# KiCad board PiEEG.kicad_pcb (continued)
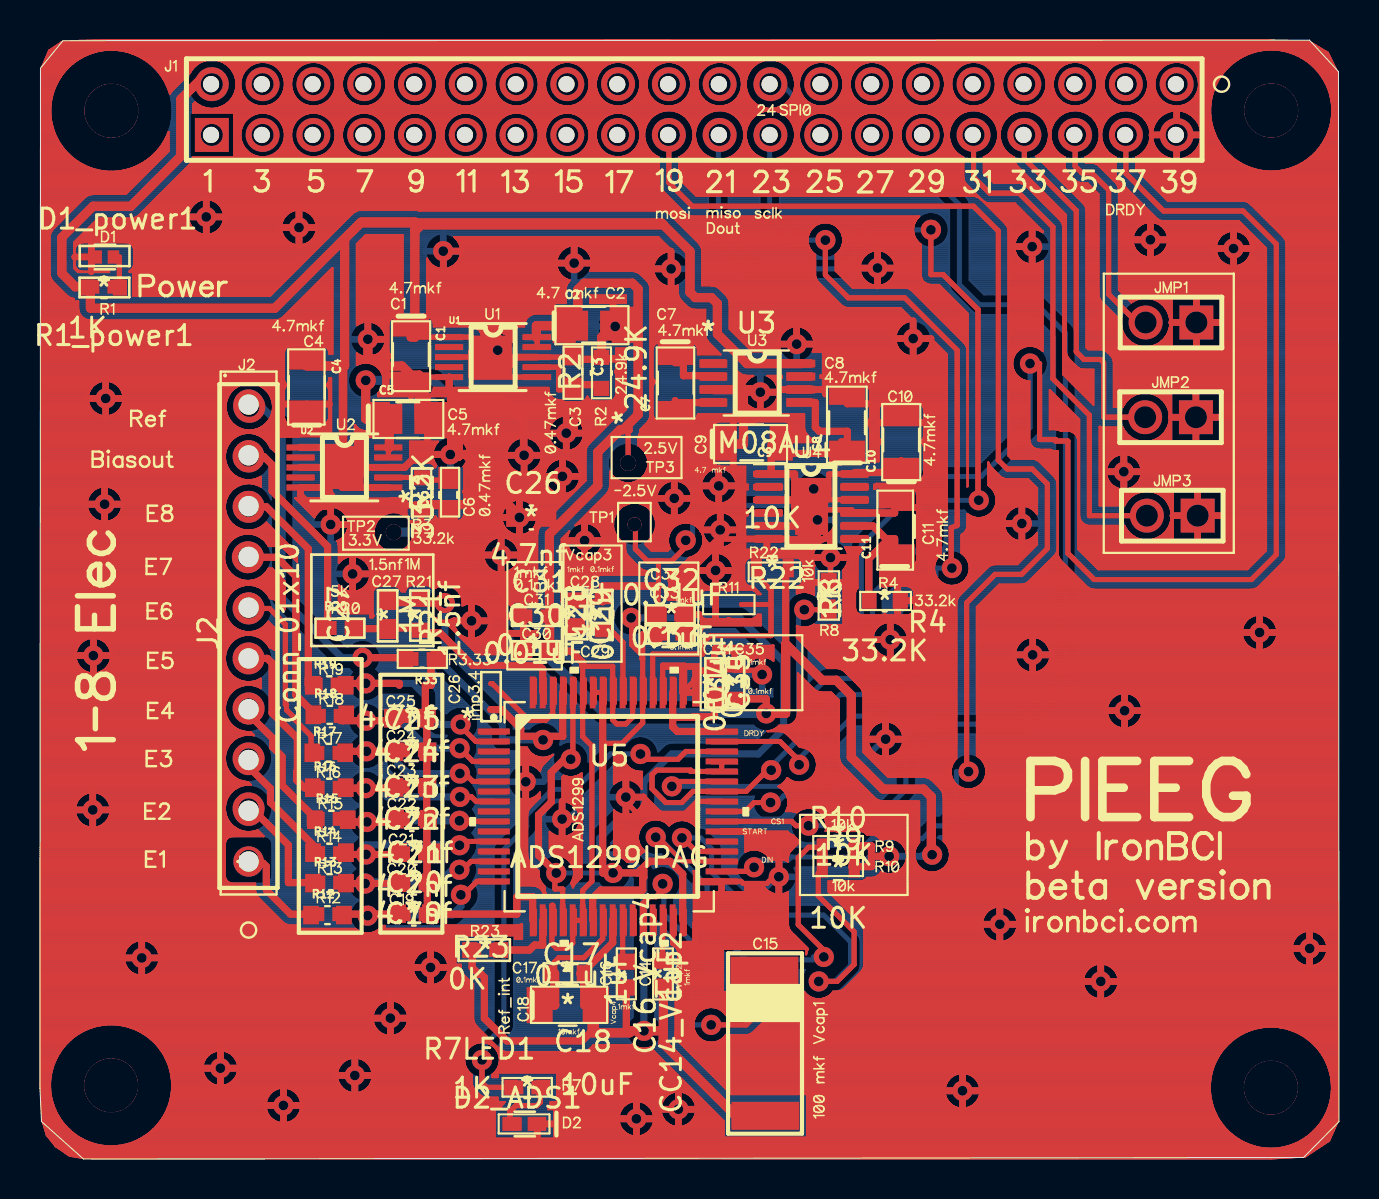
[diagram p0: board, top side]
## Routing (per net, layer and track width the routed paths; a pad name or vN(x,y) marks a point on that pad's centre or on a via; arc(x,y) is an arc through that point)
+2V5: length 7.1
  Top w0.354: 24.74,10.71 25.15,10.71 ; 24.74,10.71 24.49,10.46 ; 24.74,10.71 25.15,10.71 ; 24.74,10.71 24.49,10.46 ; 25.15,10.71 25.15,11.94 25.15,10.71 ; 24.49,10.46 22.91,10.46 24.49,10.46
-2V5: length 29.8
  Top w0.254: 25.28,20.97 v1(25.16,20.97) 25.28,20.97 ; 25.28,20.97 25.28,21.15 25.28,20.97
  Top w0.354: 24.05,21.15 24.05,21.53 ; 24.05,21.15 24.05,21.53 ; 24.05,21.15 25.28,21.15 ; 24.05,21.15 25.28,21.15 ; 24.05,21.53 23.1,22.49 ; 24.05,21.53 23.1,22.49 ; 26.15,21.15 25.28,21.15 ; 26.15,21.15 25.28,21.15 ; 26.15,21.15 26.15,23.34 26.15,21.15 ; 18.98,27.84 18.98,27.88 ; 18.98,27.84 17.37,27.84 18.98,27.84 ; 18.98,27.84 18.98,27.88 ; 18.98,27.88 18.98,27.82 ; 18.98,27.88 18.98,27.82 ; 23.1,22.49 22.55,22.49 23.1,22.49 ; 18.98,27.82 20.25,27.82 18.98,27.82
  Bottom w0.354: 20.25,27.82 20.25,24.66 23.13,21.78 23.13,20.97 v1(25.16,20.97)
  vias: v1(20.25,27.82)
GND: length 31
  Top w0.254: 33.15,25.26 33.15,25.8 ; 33.15,25.26 33.15,25.8 ; 33.15,25.26 30.65,25.26 ; 33.15,25.26 30.65,25.26 ; 33.15,25.8 33.54,26.19 ; 33.15,25.8 33.54,26.19 ; 33.54,26.19 36.56,26.19 ; 33.54,26.19 36.56,26.19 ; 36.56,26.19 36.56,27.75 ; 36.56,26.19 36.56,27.75 ; 36.56,27.75 36.56,28.46 ; 36.56,27.75 35.09,27.75 36.56,27.75 ; 36.56,27.75 36.56,28.46 ; 36.56,28.46 36.09,28.94 ; 36.56,28.46 36.09,28.94 ; 36.09,28.94 36.09,29.36 ; 36.09,28.94 36.09,29.36 ; 36.09,29.36 36.05,29.36 36.09,29.36 ; 31.15,9.88 31.15,11.94 31.15,9.88 ; 31.15,9.88 31.18,9.88 31.15,9.88 ; 30.65,25.26 30.65,23.34 30.65,25.26
(no net): length 76445.5
  Top w0.1: 47.83,33.11 47.84,33.06 ; 47.83,33.11 47.82,33.16 ; 47.83,33.11 47.84,33.06 ; 47.83,33.11 47.82,33.16 ; 47.84,33.06 47.85,33.01 ; 47.84,33.06 47.85,33.01 ; 59.78,46.44 59.85,46.43 ; 59.78,46.44 59.71,46.45 ; 59.78,46.44 59.85,46.43 ; 59.78,46.44 59.71,46.45 ; 59.85,46.43 59.91,46.42 ; 59.85,46.43 59.91,46.42 ; 37.15,13.25 37.09,13.24 ; 37.15,13.25 37.09,13.24 ; 37.15,13.25 37.22,13.27 ; 37.15,13.25 37.22,13.27 ; 37.09,13.24 37.02,13.23 ; 37.09,13.24 37.02,13.23 ; 28.18,54.61 28.26,54.68 ; 28.18,54.61 28.11,54.54 ; 28.18,54.61 28.11,54.54 ; 28.18,54.61 28.26,54.68 ; 28.26,54.68 28.34,54.73 ; 28.26,54.68 28.34,54.73 ; 2.89,38.85 2.95,38.88 ; 2.89,38.85 2.83,38.81 ; 2.89,38.85 2.95,38.88 ; 2.89,38.85 2.83,38.81 ; 2.95,38.88 3.02,38.9 ; 2.95,38.88 3.02,38.9 ; 33.81,30.61 33.74,30.63 ; 33.81,30.61 33.88,30.59 ; 33.81,30.61 33.74,30.63 ; 33.81,30.61 33.88,30.59 ; 33.74,30.63 33.68,30.65 ; 33.74,30.63 33.68,30.65 ; 10.82,13.2 10.8,13.24 ; 10.82,13.2 10.84,13.16 ; 10.82,13.2 10.84,13.16 ; 10.82,13.2 10.8,13.24 ; 10.8,13.24 10.79,13.28 ; 10.8,13.24 10.79,13.28 ; 35.41,50.72 35.37,50.82 ; 35.41,50.72 35.46,50.63 ; 35.41,50.72 35.46,50.63 ; 35.41,50.72 35.37,50.82 ; 35.37,50.82 35.34,50.91 ; 35.37,50.82 35.34,50.91 ; 22.62,5.69 22.66,5.66 ; 22.62,5.69 22.58,5.71 ; 22.62,5.69 22.66,5.66 ; 22.62,5.69 22.58,5.71 ; 22.66,5.66 22.7,5.62 ; 22.66,5.66 22.7,5.62 ; 39.07,23.34 39.02,23.35 ; 39.07,23.34 39.02,23.35 ; 39.07,23.34 39.12,23.34 ; 39.07,23.34 39.12,23.34 ; 39.02,23.35 38.97,23.36 ; 39.02,23.35 38.97,23.36 ; 32.19,54.61 32.26,54.54 ; 32.19,54.61 32.11,54.67 ; 32.19,54.61 32.26,54.54 ; 32.19,54.61 32.11,54.67 ; 32.26,54.54 32.33,54.47 ; 32.26,54.54 32.33,54.47 ; 44.81,54.67 44.89,54.61 ; 44.81,54.67 44.73,54.73 ; 44.81,54.67 44.73,54.73 ; 44.81,54.67 44.89,54.61 ; 44.89,54.61 44.96,54.54 ; 44.89,54.61 44.96,54.54 ; 42.7,53.53 42.67,53.43 ; 42.7,53.53 42.72,53.62 ; 42.7,53.53 42.67,53.43 ; 42.7,53.53 42.72,53.62 ; 42.67,53.43 42.64,53.34 ; 42.67,53.43 42.64,53.34 ; 12.77,33.06 13.73,32.1 ; 12.77,33.06 14.11,33.06 ; 12.77,33.06 13.73,32.1 ; 12.77,33.06 14.11,33.06 ; 13.73,32.1 13.75,32.16 ; 13.73,32.1 13.75,32.16 ; 19.78,53.34 19.74,53.25 ; 19.78,53.34 19.81,53.43 ; 19.78,53.34 19.81,53.43 ; 19.78,53.34 19.74,53.25 ; 19.74,53.25 19.69,53.16 ; 19.74,53.25 19.69,53.16 ; 8.5,5.27 8.56,5.31 ; 8.5,5.27 8.56,5.31 ; 8.5,5.27 8.45,5.23 ; 8.5,5.27 8.45,5.23 ; 8.56,5.31 8.62,5.34 ; 8.56,5.31 8.62,5.34 ; 31.14,16.93 31.18,16.91 ; 31.14,16.93 31.18,16.91 ; 31.14,16.93 31.09,16.95 ; 31.14,16.93 31.09,16.95 ; 31.18,16.91 31.23,16.88 ; 31.18,16.91 31.23,16.88 ; 37.57,54.44 37.62,54.35 ; 37.57,54.44 37.52,54.52 ; 37.57,54.44 37.62,54.35 ; 37.57,54.44 37.52,54.52 ; 37.62,54.35 37.67,54.26 ; 37.62,54.35 37.67,54.26 ; 14.29,40.65 14.34,40.61 ; 14.29,40.65 14.23,40.68 ; 14.29,40.65 14.23,40.68 ; 14.29,40.65 14.34,40.61 ; 14.34,40.61 14.38,40.57 ; 14.34,40.61 14.38,40.57 ; 64.64,52.41 64.63,52.26 ; 64.64,52.41 64.64,52.54 ; 64.64,52.41 64.64,52.54 ; 64.64,52.41 64.63,52.26 ; 64.63,52.26 64.62,52.11 ; 64.63,52.26 64.62,52.11 ; 17.19,39.01 17.19,38.95 ; 17.19,39.01 17.19,38.95 ; 17.19,39.01 17.18,39.06 ; 17.19,39.01 17.18,39.06 ; 17.19,38.95 17.19,38.9 ; 17.19,38.95 17.19,38.9 ; 45.19,18.17 45.2,18.07 ; 45.19,18.17 45.19,18.22 ; 45.19,18.17 45.19,18.22 ; 45.19,18.17 45.2,18.07 ; 45.2,18.07 45.2,15.91 ; 45.2,18.07 45.2,15.91 ; 35.15,38.23 35.14,38.3 ; 35.15,38.23 35.14,38.3 ; 35.15,38.23 35.16,38.16 ; 35.15,38.23 35.16,38.16 ; 35.14,38.3 35.14,38.37 ; 35.14,38.3 35.14,38.37 ; 16.23,40.14 16.16,40.15 ; 16.23,40.14 16.16,40.15 ; 16.23,40.14 16.3,40.13 ; 16.23,40.14 16.3,40.13 ; 16.16,40.15 16.1,40.17 ; 16.16,40.15 16.1,40.17 ; 43.19,21.01 43.19,21 ; 43.19,21.01 43.19,21.07 ; 43.19,21.01 43.19,21.07 ; 43.19,21.01 43.19,21 ; 43.19,21 43.19,20.93 ; 43.19,21 43.19,20.93 ; 18.36,50.19 18.27,50.23 ; 18.36,50.19 18.27,50.23 ; 18.36,50.19 18.46,50.16 ; 18.36,50.19 18.46,50.16 ; 18.27,50.23 18.18,50.28 ; 18.27,50.23 18.18,50.28 ; 9.32,13.94 9.29,13.99 ; 9.32,13.94 9.36,13.89 ; 9.32,13.94 9.29,13.99 ; 9.32,13.94 9.36,13.89 ; 9.29,13.99 9.27,14.05 ; 9.29,13.99 9.27,14.05 ; 23.35,32.74 23.41,32.78 ; 23.35,32.74 23.31,32.68 ; 23.35,32.74 23.41,32.78 ; 23.35,32.74 23.31,32.68 ; 23.41,32.78 23.46,32.83 ; 23.41,32.78 23.46,32.83 ; 26.12,33.26 26.05,33.26 ; 26.12,33.26 26.19,33.26 ; 26.12,33.26 26.05,33.26 ; 26.12,33.26 26.19,33.26 ; 26.05,33.26 25.98,33.27 ; 26.05,33.26 25.98,33.27 ; 28.86,31.12 28.83,31.16 ; 28.86,31.12 29.08,30.9 ; 28.86,31.12 28.83,31.16 ; 28.86,31.12 29.08,30.9 ; 28.83,31.16 28.8,31.22 ; 28.83,31.16 28.8,31.22 ; 32.4,47.21 32.36,47.23 ; 32.4,47.21 32.36,47.23 ; 32.4,47.21 32.43,47.2 ; 32.4,47.21 32.43,47.2 ; 32.36,47.23 32.33,47.26 ; 32.36,47.23 32.33,47.26 ; 47.58,29.72 47.61,29.74 ; 47.58,29.72 47.54,29.7 ; 47.58,29.72 47.61,29.74 ; 47.58,29.72 47.54,29.7 ; 47.61,29.74 47.65,29.75 ; 47.61,29.74 47.65,29.75 ; 42.75,20.24 42.69,20.21 ; 42.75,20.24 42.81,20.28 ; 42.75,20.24 42.69,20.21 ; 42.75,20.24 42.81,20.28 ; 42.69,20.21 42.63,20.18 ; 42.69,20.21 42.63,20.18 ; 11.94,53 11.87,52.94 ; 11.94,53 11.87,52.94 ; 11.94,53 12.01,53.08 ; 11.94,53 12.01,53.08 ; 11.87,52.94 11.79,52.87 ; 11.87,52.94 11.79,52.87 ; 20.18,51.28 20.19,51.38 ; 20.18,51.28 20.18,51.18 ; 20.18,51.28 20.19,51.38 ; 20.18,51.28 20.18,51.18 ; 20.19,51.38 20.21,51.48 ; 20.19,51.38 20.21,51.48 ; 30.18,17.96 30.17,17.89 ; 30.18,17.96 30.17,17.89 ; 30.18,17.96 30.19,18.03 ; 30.18,17.96 30.19,18.03 ; 30.17,17.89 30.15,17.82 ; 30.17,17.89 30.15,17.82 ; 19.77,32.12 19.75,32.08 ; 19.77,32.12 19.75,32.08 ; 19.77,32.12 19.78,32.15 ; 19.77,32.12 19.78,32.15 ; 19.75,32.08 19.73,32.05 ; 19.75,32.08 19.73,32.05 ; 52.21,9.17 52.24,9.23 ; 52.21,9.17 52.24,9.23 ; 52.21,9.17 52.19,9.1 ; 52.21,9.17 52.19,9.1 ; 52.24,9.23 52.27,9.3 ; 52.24,9.23 52.27,9.3 ; 21.89,41.53 21.92,41.51 ; 21.89,41.53 21.86,41.55 ; 21.89,41.53 21.92,41.51 ; 21.89,41.53 21.86,41.55 ; 21.92,41.51 21.95,41.48 ; 21.92,41.51 21.95,41.48 ; 46.14,31.26 46.11,31.24 ; 46.14,31.26 46.18,31.28 ; 46.14,31.26 46.18,31.28 ; 46.14,31.26 46.11,31.24 ; 46.11,31.24 46.09,31.18 ; 46.11,31.24 46.09,31.18 ; 9.63,28.42 9.71,28.48 ; 9.63,28.42 9.56,28.35 ; 9.63,28.42 9.56,28.35 ; 9.63,28.42 9.71,28.48 ; 9.71,28.48 9.79,28.54 ; 9.71,28.48 9.79,28.54 ; 16.78,11.37 16.73,11.35 ; 16.78,11.37 16.73,11.35 ; 16.78,11.37 16.82,11.4 ; 16.78,11.37 16.82,11.4 ; 16.73,11.35 16.68,11.33 ; 16.73,11.35 16.68,11.33 ; 54.97,54.67 55.05,54.61 ; 54.97,54.67 54.89,54.73 ; 54.97,54.67 55.05,54.61 ; 54.97,54.67 54.89,54.73 ; 55.05,54.61 55.12,54.54 ; 55.05,54.61 55.12,54.54 ; 0.53,52.75 0.55,52.9 ; 0.53,52.75 0.55,52.9 ; 0.53,52.75 0.52,52.6 ; 0.53,52.75 0.52,52.6 ; 0.55,52.9 0.58,53.05 ; 0.55,52.9 0.58,53.05 ; 56.59,32.34 56.6,32.24 ; 56.59,32.34 56.6,32.24 ; 56.59,32.34 56.57,32.44 ; 56.59,32.34 56.57,32.44 ; 56.6,32.24 56.6,32.14 ; 56.6,32.24 56.6,32.14 ; 39.92,13.94 39.86,13.91 ; 39.92,13.94 39.97,13.94 ; 39.92,13.94 39.86,13.91 ; 39.92,13.94 39.97,13.94 ; 39.86,13.91 39.81,13.9 ; 39.86,13.91 39.81,13.9 ; 52.49,31.68 52.45,31.68 ; 52.49,31.68 52.45,31.68 ; 52.49,31.68 54.24,31.68 ; 52.49,31.68 54.24,31.68 ; 52.45,31.68 52.41,31.68 ; 52.45,31.68 52.41,31.68 ; 30.72,52.94 30.65,53 ; 30.72,52.94 30.65,53 ; 30.72,52.94 30.8,52.87 ; 30.72,52.94 30.8,52.87 ; 30.65,53 30.58,53.08 ; 30.65,53 30.58,53.08 ; 33.96,34.57 34.03,34.57 ; 33.96,34.57 34.03,34.57 ; 33.96,34.57 33.89,34.57 ; 33.96,34.57 33.89,34.57 ; 34.03,34.57 34.1,34.56 ; 34.03,34.57 34.1,34.56 ; 52.32,47.61 52.33,47.57 ; 52.32,47.61 52.3,47.64 ; 52.32,47.61 52.33,47.57 ; 52.32,47.61 52.3,47.64 ; 52.33,47.57 52.34,47.53 ; 52.33,47.57 52.34,47.53 ; 21.78,50.23 21.69,50.19 ; 21.78,50.23 21.69,50.19 ; 21.78,50.23 21.87,50.28 ; 21.78,50.23 21.87,50.28 ; 21.69,50.19 21.59,50.16 ; 21.69,50.19 21.59,50.16 ; 40.39,30.36 40.41,30.29 ; 40.39,30.36 40.41,30.29 ; 40.39,30.36 40.37,30.43 ; 40.39,30.36 40.37,30.43 ; 40.41,30.29 40.42,30.22 ; 40.41,30.29 40.42,30.22 ; 10.2,33.99 10.1,34.01 ; 10.2,33.99 10.1,34.01 ; 10.2,33.99 10.29,33.97 ; 10.2,33.99 10.29,33.97 ; 10.1,34.01 10,34.04 ; 10.1,34.01 10,34.04 ; 24.08,18.01 24.01,18.03 ; 24.08,18.01 24.15,17.99 ; 24.08,18.01 24.01,18.03 ; 24.08,18.01 24.15,17.99 ; 24.01,18.03 23.95,18.05 ; 24.01,18.03 23.95,18.05 ; 30.59,52.11 30.66,52.18 ; 30.59,52.11 30.66,52.18 ; 30.59,52.11 30.52,52.04 ; 30.59,52.11 30.52,52.04 ; 30.66,52.18 30.74,52.24 ; 30.66,52.18 30.74,52.24 ; 7.79,46.41 7.73,46.46 ; 7.79,46.41 7.84,46.38 ; 7.79,46.41 7.73,46.46 ; 7.79,46.41 7.84,46.38 ; 7.73,46.46 7.68,46.51 ; 7.73,46.46 7.68,46.51 ; 2.26,48.13 2.3,48.16 ; 2.26,48.13 2.3,48.16 ; 2.26,48.13 2.22,48.1 ; 2.26,48.13 2.22,48.1 ; 2.3,48.16 2.34,48.19 ; 2.3,48.16 2.34,48.19 ; 39.18,54.88 39.27,54.87 ; 39.18,54.88 39.27,54.87 ; 39.18,54.88 39.08,54.89 ; 39.18,54.88 39.08,54.89 ; 39.27,54.87 39.37,54.85 ; 39.27,54.87 39.37,54.85 ; 34.39,52.73 34.29,52.7 ; 34.39,52.73 34.29,52.7 ; 34.39,52.73 34.48,52.77 ; 34.39,52.73 34.48,52.77 ; 34.29,52.7 34.19,52.68 ; 34.29,52.7 34.19,52.68 ; 31.36,45.4 31.42,45.41 ; 31.36,45.4 31.29,45.38 ; 31.36,45.4 31.42,45.41 ; 31.36,45.4 31.29,45.38 ; 31.42,45.41 31.49,45.42 ; 31.42,45.41 31.49,45.42 ; 14.48,53 14.41,52.94 ; 14.48,53 14.55,53.08 ; 14.48,53 14.55,53.08 ; 14.48,53 14.41,52.94 ; 14.41,52.94 14.33,52.87 ; 14.41,52.94 14.33,52.87 ; 62.94,55.19 63.08,55.12 ; 62.94,55.19 62.81,55.25 ; 62.94,55.19 62.81,55.25 ; 62.94,55.19 63.08,55.12 ; 63.08,55.12 63.21,55.04 ; 63.08,55.12 63.21,55.04 ; 9.6,20.88 9.67,20.95 ; 9.6,20.88 9.53,20.81 ; 9.6,20.88 9.53,20.81 ; 9.6,20.88 9.67,20.95 ; 9.67,20.95 9.75,21.01 ; 9.67,20.95 9.75,21.01 ; 12.82,47.48 12.89,47.49 ; 12.82,47.48 12.75,47.47 ; 12.82,47.48 12.75,47.47 ; 12.82,47.48 12.89,47.49 ; 12.89,47.49 12.96,47.49 ; 12.89,47.49 12.96,47.49 ; 15.91,40.27 15.85,40.31 ; 15.91,40.27 15.85,40.31 ; 15.91,40.27 15.97,40.23 ; 15.91,40.27 15.97,40.23 ; 15.85,40.31 15.85,40.31 ; 15.85,40.31 15.85,40.31 ; 26.34,17.87 26.41,17.85 ; 26.34,17.87 26.27,17.89 ; 26.34,17.87 26.41,17.85 ; 26.34,17.87 26.27,17.89 ; 26.41,17.85 26.47,17.83 ; 26.41,17.85 26.47,17.83 ; 42.01,54.82 42.1,54.78 ; 42.01,54.82 41.91,54.85 ; 42.01,54.82 41.91,54.85 ; 42.01,54.82 42.1,54.78 ; 42.1,54.78 42.19,54.73 ; 42.1,54.78 42.19,54.73 ; 33.06,45.68 33.08,45.64 ; 33.06,45.68 33.08,45.64 ; 33.06,45.68 33.03,45.73 ; 33.06,45.68 33.03,45.73 ; 33.08,45.64 33.09,45.6 ; 33.08,45.64 33.09,45.6 ; 7.74,47.81 7.8,47.86 ; 7.74,47.81 7.69,47.77 ; 7.74,47.81 7.8,47.86 ; 7.74,47.81 7.69,47.77 ; 7.8,47.86 7.86,47.9 ; 7.8,47.86 7.86,47.9 ; 47.18,54.78 47.27,54.73 ; 47.18,54.78 47.27,54.73 ; 47.18,54.78 47.09,54.82 ; 47.18,54.78 47.09,54.82 ; 47.27,54.73 47.35,54.67 ; 47.27,54.73 47.35,54.67 ; 11.7,1.93 11.65,1.96 ; 11.7,1.93 11.65,1.96 ; 11.7,1.93 11.77,1.89 ; 11.7,1.93 11.77,1.89 ; 11.65,1.96 11.59,2.01 ; 11.65,1.96 11.59,2.01 ; 14.92,30.82 14.93,30.78 ; 14.92,30.82 14.93,30.78 ; 14.92,30.82 14.9,30.87 ; 14.92,30.82 14.9,30.87 ; 14.93,30.78 14.94,30.74 ; 14.93,30.78 14.94,30.74 ; 27.89,51.67 27.93,51.76 ; 27.89,51.67 27.86,51.58 ; 27.89,51.67 27.86,51.58 ; 27.89,51.67 27.93,51.76 ; 27.93,51.76 27.99,51.85 ; 27.93,51.76 27.99,51.85 ; 27.17,30.05 27.1,30.06 ; 27.17,30.05 27.1,30.06 ; 27.17,30.05 27.24,30.05 ; 27.17,30.05 27.24,30.05 ; 27.1,30.06 27.03,30.07 ; 27.1,30.06 27.03,30.07 ; 29.56,2.86 29.63,2.88 ; 29.56,2.86 29.5,2.84 ; 29.56,2.86 29.63,2.88 ; 29.56,2.86 29.5,2.84 ; 29.63,2.88 29.7,2.89 ; 29.63,2.88 29.7,2.89 ; 61.53,49.4 61.38,49.41 ; 61.53,49.4 61.68,49.4 ; 61.53,49.4 61.68,49.4 ; 61.53,49.4 61.38,49.41 ; 61.38,49.41 61.23,49.42 ; 61.38,49.41 61.23,49.42 ; 26.84,30.14 26.77,30.18 ; 26.84,30.14 26.9,30.11 ; 26.84,30.14 26.77,30.18 ; 26.84,30.14 26.9,30.11 ; 26.77,30.18 26.72,30.22 ; 26.77,30.18 26.72,30.22 ; 53.86,9.28 53.89,9.22 ; 53.86,9.28 53.82,9.35 ; 53.86,9.28 53.89,9.22 ; 53.86,9.28 53.82,9.35 ; 53.89,9.22 53.91,9.16 ; 53.89,9.22 53.91,9.16 ; 53.84,49.12 53.83,49.16 ; 53.84,49.12 53.86,49.08 ; 53.84,49.12 53.86,49.08 ; 53.84,49.12 53.83,49.16 ; 53.83,49.16 53.82,49.19 ; 53.83,49.16 53.82,49.19 ; 27,34.36 27.01,34.29 ; 27,34.36 26.98,34.42 ; 27,34.36 26.98,34.42 ; 27,34.36 27.01,34.29 ; 27.01,34.29 27.02,34.22 ; 27.01,34.29 27.02,34.22 ; 29.15,1.44 29.11,1.49 ; 29.15,1.44 29.11,1.49 ; 29.15,1.44 29.2,1.39 ; 29.15,1.44 29.2,1.39 ; 29.11,1.49 29.07,1.55 ; 29.11,1.49 29.07,1.55 ; 28.09,30.66 28.06,30.6 ; 28.09,30.66 28.11,30.73 ; 28.09,30.66 28.11,30.73 ; 28.09,30.66 28.06,30.6 ; 28.06,30.6 28.03,30.53 ; 28.06,30.6 28.03,30.53 ; 52.38,52.31 52.47,52.26 ; 52.38,52.31 52.29,52.35 ; 52.38,52.31 52.47,52.26 ; 52.38,52.31 52.29,52.35 ; 52.47,52.26 52.55,52.2 ; 52.47,52.26 52.55,52.2 ; 49.95,40.58 49.99,40.55 ; 49.95,40.58 49.9,40.6 ; 49.95,40.58 49.99,40.55 ; 49.95,40.58 49.9,40.6 ; 49.99,40.55 50.03,40.53 ; 49.99,40.55 50.03,40.53 ; 33.76,36.8 33.79,36.82 ; 33.76,36.8 33.73,36.77 ; 33.76,36.8 33.73,36.77 ; 33.76,36.8 33.79,36.82 ; 33.79,36.82 33.82,36.85 ; 33.79,36.82 33.82,36.85 ; 16.08,30.04 16.14,30.01 ; 16.08,30.04 16.02,30.08 ; 16.08,30.04 16.14,30.01 ; 16.08,30.04 16.02,30.08 ; 16.14,30.01 16.2,29.97 ; 16.14,30.01 16.2,29.97 ; 24.4,15.02 24.39,15.07 ; 24.4,15.02 24.42,14.98 ; 24.4,15.02 24.42,14.98 ; 24.4,15.02 24.39,15.07 ; 24.39,15.07 24.38,15.11 ; 24.39,15.07 24.38,15.11 ; 19.19,8.76 19.13,8.79 ; 19.19,8.76 19.25,8.74 ; 19.19,8.76 19.13,8.79 ; 19.19,8.76 19.25,8.74 ; 19.13,8.79 19.06,8.83 ; 19.13,8.79 19.06,8.83 ; 37.62,16.2 37.58,16.22 ; 37.62,16.2 37.66,16.19 ; 37.62,16.2 37.66,16.19 ; 37.62,16.2 37.58,16.22 ; 37.58,16.22 37.55,16.24 ; 37.58,16.22 37.55,16.24 ; 9.2,46.98 9.18,46.91 ; 9.2,46.98 9.21,47.05 ; 9.2,46.98 9.21,47.05 ; 9.2,46.98 9.18,46.91 ; 9.18,46.91 9.16,46.85 ; 9.18,46.91 9.16,46.85 ; 23.26,32.63 23.31,32.68 ; 23.26,32.63 23.22,32.57 ; 23.26,32.63 23.22,32.57 ; 23.26,32.63 23.31,32.68 ; 56.28,52.82 56.2,52.87 ; 56.28,52.82 56.37,52.77 ; 56.28,52.82 56.37,52.77 ; 56.28,52.82 56.2,52.87 ; 56.2,52.87 56.12,52.94 ; 56.2,52.87 56.12,52.94 ; 46.34,52.41 46.43,52.44 ; 46.34,52.41 46.24,52.38 ; 46.34,52.41 46.24,52.38 ; 46.34,52.41 46.43,52.44 ; 46.43,52.44 46.53,52.46 ; 46.43,52.44 46.53,52.46 ; 32.36,33.68 32.41,33.63 ; 32.36,33.68 32.31,33.73 ; 32.36,33.68 32.41,33.63 ; 32.36,33.68 32.31,33.73 ; 32.41,33.63 32.45,33.57 ; 32.41,33.63 32.45,33.57 ; 37.42,19.03 37.38,19.06 ; 37.42,19.03 37.46,19 ; 37.42,19.03 37.38,19.06 ; 37.42,19.03 37.46,19 ; 37.38,19.06 37.33,18.98 ; 37.38,19.06 37.33,18.98 ; 43.57,33.62 43.61,33.61 ; 43.57,33.62 43.53,33.63 ; 43.57,33.62 43.53,33.63 ; 43.57,33.62 43.61,33.61 ; 43.61,33.61 43.64,33.6 ; 43.61,33.61 43.64,33.6 ; 10.59,23.87 10.49,23.86 ; 10.59,23.87 10.69,23.89 ; 10.59,23.87 10.69,23.89 ; 10.59,23.87 10.49,23.86 ; 10.49,23.86 10.39,23.86 ; 10.49,23.86 10.39,23.86 ; 25.16,20.07 25.11,20.08 ; 25.16,20.07 25.21,20.08 ; 25.16,20.07 25.21,20.08 ; 25.16,20.07 25.11,20.08 ; 25.11,20.08 25.06,20.08 ; 25.11,20.08 25.06,20.08 ; 30.23,35.42 30.27,35.37 ; 30.23,35.42 30.27,35.37 ; 30.23,35.42 30.11,35.55 ; 30.23,35.42 30.11,35.55 ; 30.27,35.37 30.3,35.32 ; 30.27,35.37 30.3,35.32 ; 38.8,19.38 38.78,19.34 ; 38.8,19.38 38.81,19.43 ; 38.8,19.38 38.81,19.43 ; 38.8,19.38 38.78,19.34 ; 38.78,19.34 38.75,19.29 ; 38.78,19.34 38.75,19.29 ; 60.18,26.69 60.21,26.75 ; 60.18,26.69 60.16,26.62 ; 60.18,26.69 60.16,26.62 ; 60.18,26.69 60.21,26.75 ; 60.21,26.75 60.25,26.81 ; 60.21,26.75 60.25,26.81 ; 45.58,53.82 45.59,53.92 ; 45.58,53.82 45.58,53.72 ; 45.58,53.82 45.58,53.72 ; 45.58,53.82 45.59,53.92 ; 45.59,53.92 45.61,54.02 ; 45.59,53.92 45.61,54.02 ; 20.42,50.54 20.37,50.62 ; 20.42,50.54 20.49,50.46 ; 20.42,50.54 20.37,50.62 ; 20.42,50.54 20.49,50.46 ; 20.37,50.62 20.31,50.71 ; 20.37,50.62 20.31,50.71 ; 48.22,31.86 48.23,31.93 ; 48.22,31.86 48.22,31.79 ; 48.22,31.86 48.22,31.79 ; 48.22,31.86 48.23,31.93 ; 48.23,31.93 48.24,32 ; 48.23,31.93 48.24,32 ; 52.34,47.53 52.34,47.49 ; 52.34,47.53 52.34,47.49 ; 32.22,3.34 32.28,3.31 ; 32.22,3.34 32.28,3.31 ; 32.22,3.34 32.15,3.36 ; 32.22,3.34 32.15,3.36 ; 32.28,3.31 32.34,3.28 ; 32.28,3.31 32.34,3.28 ; 45.55,19.38 45.55,19.43 ; 45.55,19.38 45.55,19.33 ; 45.55,19.38 45.55,19.43 ; 45.55,19.38 45.55,19.33 ; 45.55,19.43 45.56,19.48 ; 45.55,19.43 45.56,19.48 ; 54.58,42.86 54.67,42.91 ; 54.58,42.86 54.67,42.91 ; 54.58,42.86 53.97,43.47 ; 54.58,42.86 53.97,43.47 ; 54.67,42.91 54.76,42.96 ; 54.67,42.91 54.76,42.96 ; 42.3,21.9 42.37,21.89 ; 42.3,21.9 42.23,21.89 ; 42.3,21.9 42.37,21.89 ; 42.3,21.9 42.23,21.89 ; 42.37,21.89 42.44,21.88 ; 42.37,21.89 42.44,21.88 ; 12.01,54.47 12.07,54.39 ; 12.01,54.47 11.94,54.54 ; 12.01,54.47 11.94,54.54 ; 12.01,54.47 12.07,54.39 ; 12.07,54.39 12.12,54.3 ; 12.07,54.39 12.12,54.3 ; 35.08,54.02 35.1,53.92 ; 35.08,54.02 35.06,54.12 ; 35.08,54.02 35.1,53.92 ; 35.08,54.02 35.06,54.12 ; 35.1,53.92 35.11,53.82 ; 35.1,53.92 35.11,53.82 ; 34.67,29.3 34.66,29.23 ; 34.67,29.3 34.68,29.37 ; 34.67,29.3 34.66,29.23 ; 34.67,29.3 34.68,29.37 ; 34.66,29.23 34.64,29.16 ; 34.66,29.23 34.64,29.16 ; 60.49,45.14 60.46,45.08 ; 60.49,45.14 60.52,45.2 ; 60.49,45.14 60.46,45.08 ; 60.49,45.14 60.52,45.2 ; 60.46,45.08 60.42,45.02 ; 60.46,45.08 60.42,45.02 ; 11.65,37.58 11.64,37.48 ; 11.65,37.58 11.65,37.63 ; 11.65,37.58 11.65,37.63 ; 11.65,37.58 11.64,37.48 ; 11.64,37.48 11.63,37.38 ; 11.64,37.48 11.63,37.38 ; 1.84,24.85 1.82,24.92 ; 1.84,24.85 1.87,24.79 ; 1.84,24.85 1.87,24.79 ; 1.84,24.85 1.82,24.92 ; 1.82,24.92 1.8,24.99 ; 1.82,24.92 1.8,24.99 ; 18.4,7.25 18.41,7.18 ; 18.4,7.25 18.38,7.32 ; 18.4,7.25 18.38,7.32 ; 18.4,7.25 18.41,7.18 ; 18.41,7.18 18.42,7.11 ; 18.41,7.18 18.42,7.11 ; 25.31,34.5 25.34,34.56 ; 25.31,34.5 25.34,34.56 ; 25.31,34.5 25.29,34.44 ; 25.31,34.5 25.29,34.44 ; 25.34,34.56 25.38,34.63 ; 25.34,34.56 25.38,34.63 ; 46.41,2.56 46.34,2.54 ; 46.41,2.56 46.34,2.54 ; 46.41,2.56 46.48,2.59 ; 46.41,2.56 46.48,2.59 ; 46.34,2.54 46.27,2.53 ; 46.34,2.54 46.27,2.53 ; 35.49,24.94 35.49,24.87 ; 35.49,24.94 35.49,24.98 ; 35.49,24.94 35.49,24.98 ; 35.49,24.94 35.49,24.87 ; 35.49,24.87 35.54,24.92 ; 35.49,24.87 35.54,24.92 ; 26.77,52.73 26.67,52.7 ; 26.77,52.73 26.86,52.77 ; 26.77,52.73 26.86,52.77 ; 26.77,52.73 26.67,52.7 ; 26.67,52.7 26.57,52.68 ; 26.67,52.7 26.57,52.68 ; 56.48,31.66 56.43,31.57 ; 56.48,31.66 56.52,31.75 ; 56.48,31.66 56.52,31.75 ; 56.48,31.66 56.43,31.57 ; 56.43,31.57 56.38,31.48 ; 56.43,31.57 56.38,31.48 ; 32.43,17.45 32.4,17.42 ; 32.43,17.45 32.4,17.42 ; 32.43,17.45 32.46,17.47 ; 32.43,17.45 32.46,17.47 ; 32.4,17.42 32.37,17.4 ; 32.4,17.42 32.37,17.4 ; 41.95,36.17 41.95,36.76 ; 41.95,36.17 41.95,36.76 ; 41.95,36.17 41.95,36.13 ; 41.95,36.17 41.95,36.13 ; 41.95,36.76 41.95,37.51 ; 41.95,36.76 41.95,37.51 ; 33.6,52.73 33.51,52.77 ; 33.6,52.73 33.7,52.7 ; 33.6,52.73 33.51,52.77 ; 33.6,52.73 33.7,52.7 ; 33.51,52.77 33.42,52.82 ; 33.51,52.77 33.42,52.82 ; 61.64,55.51 61.79,55.5 ; 61.64,55.51 61.49,55.51 ; 61.64,55.51 61.79,55.5 ; 61.64,55.51 61.49,55.51 ; 61.79,55.5 61.94,55.49 ; 61.79,55.5 61.94,55.49 ; 37.37,18.18 37.38,18.13 ; 37.37,18.18 37.34,18.23 ; 37.37,18.18 37.38,18.13 ; 37.37,18.18 37.34,18.23 ; 37.38,18.13 37.4,18.09 ; 37.38,18.13 37.4,18.09 ; 51.17,46.7 51.17,46.66 ; 51.17,46.7 51.17,46.66 ; 51.17,46.7 51.16,46.74 ; 51.17,46.7 51.16,46.74 ; 51.17,46.66 51.18,46.57 ; 51.17,46.66 51.18,46.57 ; 28.83,37.07 28.87,37.08 ; 28.83,37.07 28.87,37.08 ; 28.83,37.07 28.78,37.05 ; 28.83,37.07 28.78,37.05 ; 28.87,37.08 28.9,37.09 ; 28.87,37.08 28.9,37.09 ; 33.93,34.65 33.89,34.66 ; 33.93,34.65 33.96,34.64 ; 33.93,34.65 33.96,34.64 ; 33.93,34.65 33.89,34.66 ; 33.89,34.66 33.85,34.68 ; 33.89,34.66 33.85,34.68 ; 37.03,40.4 37.01,40.47 ; 37.03,40.4 35.62,40.4 ; 37.03,40.4 35.62,40.4 ; 37.03,40.4 37.01,40.47 ; 37.01,40.47 36.99,40.53 ; 37.01,40.47 36.99,40.53 ; 46.18,31.28 46.21,31.31 ; 46.18,31.28 46.21,31.31 ; 14.33,38.72 14.36,38.69 ; 14.33,38.72 14.36,38.69 ; 14.33,38.72 14.34,38.73 ; 14.33,38.72 14.34,38.73 ; 14.36,38.69 14.39,38.66 ; 14.36,38.69 14.39,38.66 ; 51.99,32.11 51.98,32.15 ; 51.99,32.11 51.99,32.07 ; 51.99,32.11 51.98,32.15 ; 51.99,32.11 51.99,32.07 ; 51.98,32.15 51.98,32.24 ; 51.98,32.15 51.98,32.24 ; 47.39,52.26 47.47,52.2 ; 47.39,52.26 47.47,52.2 ; 47.39,52.26 47.3,52.31 ; 47.39,52.26 47.3,52.31 